# Altium PCB SensorControl_Board_v3.1.PcbDoc (part 1 of 2) (continued)
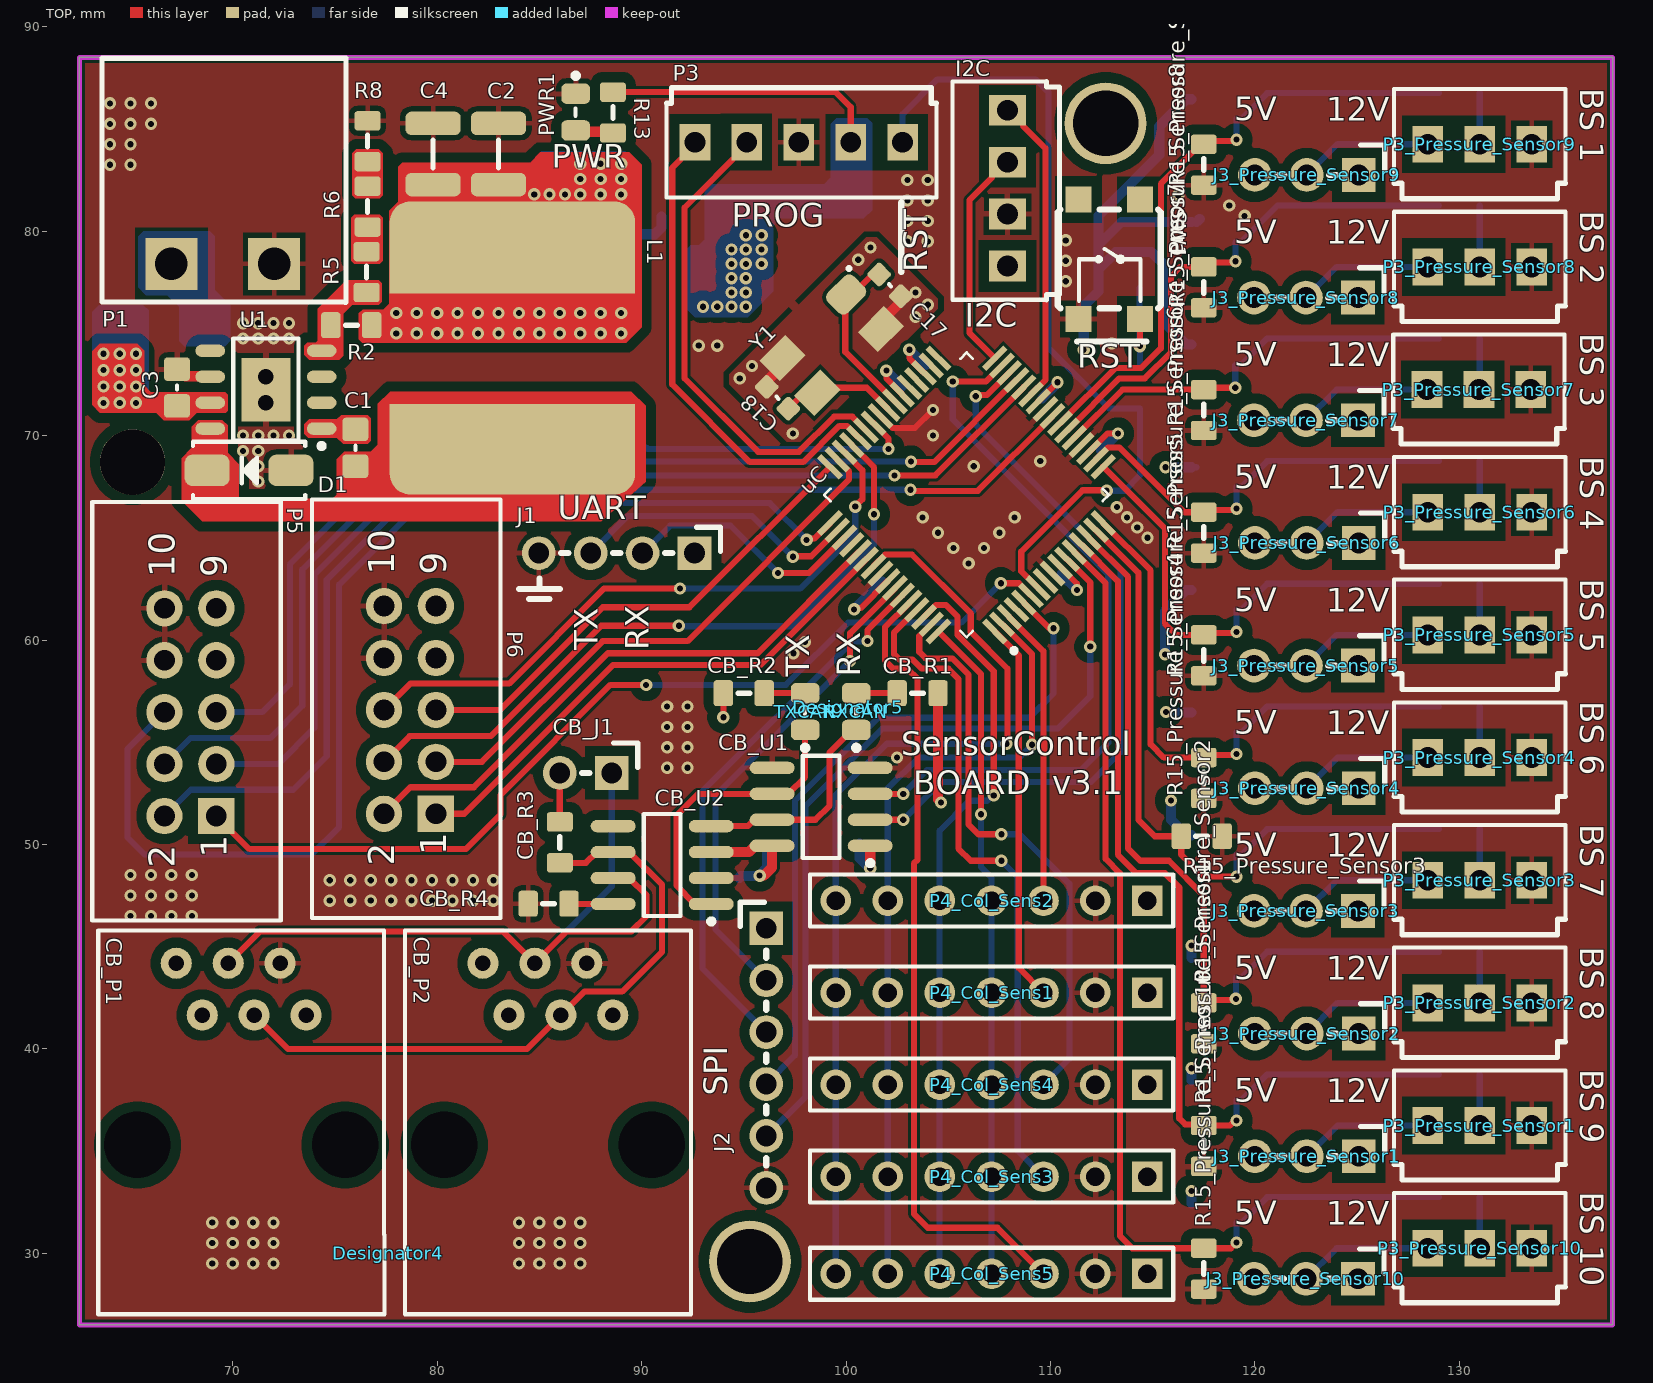
[diagram p0: TOP view]
## Components (designator, comment, footprint, x,y, rotation, side; value= is the part's Value field where it differs from the comment)
C1 "10nF" CER_0805 76,69.4 r0 top
C2 "100uF" CER_1210 83,83.8 r0 top
C3 "10uF" CER_0805 67.275,72.35 r0 top
C4 "100uF" CER_1210 79.8,83.8 r0 top
C11 "100n" CER_0805 104.55,74.098 r135 bottom
C12 "100n" CER_0805 102.102,71.775 r315 bottom
C13 "100n" CER_0805 108.975,71.175 r315 bottom
C14 "100n" CER_0805 111.85,68.6 r315 bottom
C15 "100n" CER_0805 102.411,63.486 r135 bottom
C16 "100n" CER_0603 113.6,75.675 r270 bottom
C17 "20pF" CER_0603 102.15,77.35 r225 top
C18 "20pF" CER_0603 96.65,71.85 r45 top
C19 "100n" CER_0805 109.9,63.85 r225 bottom
CB_C1 "100n" CER_0603 100.675,50.8 r180 bottom
CB_C2 "100n" CER_0603 96.35,50.65 r180 bottom
CB_C3 "100n" CER_0603 94.775,49.125 r180 bottom
CB_J1 "*" HM1x2 87.27,53.5 r180 top
CB_P1 "RJ-11" RJ11-6N-B 71,37 r90 top
CB_P2 "RJ-11" RJ11-6N-B 86,37 r90 top
CB_R1 "1k" RESC2013X38N-0805-NOOVERLAY 103.5,57.4 r90 top
CB_R2 "1k" RESC2013X38N-0805-NOOVERLAY 95,57.4 r270 top
CB_R3 "120R" RESC2013X38N-0805-NOOVERLAY 86,50.1 r180 top
CB_R4 "10k" RESC2013X38N-0805-NOOVERLAY 85.45,47.1 r90 top
CB_U1 "ADUM1201BRZ-RL7" SOIC-8 98.775,51.85 r180 top
CB_U2 "SN65HVD230DR" SOIC-8 91,49 r180 top
D1 "SK34" DO214AC 70.8,68.3 r0 top
D2 "SK34" DO214AC 66.6,75.4 r0 bottom
D4_Pressure_Sensor1 "BAT54S" BAT54S 118,37.5 r0 bottom (schematic designator D4)
D4_Pressure_Sensor2 "BAT54S" BAT54S 118,43.5 r0 bottom (schematic designator D4)
D4_Pressure_Sensor3 "BAT54S" BAT54S 118,49.5 r0 bottom (schematic designator D4)
D4_Pressure_Sensor4 "BAT54S" BAT54S 118,55.5 r0 bottom (schematic designator D4)
D4_Pressure_Sensor5 "BAT54S" BAT54S 118,61.5 r0 bottom (schematic designator D4)
D4_Pressure_Sensor6 "BAT54S" BAT54S 118,67.5 r0 bottom (schematic designator D4)
D4_Pressure_Sensor7 "BAT54S" BAT54S 118,73.5 r0 bottom (schematic designator D4)
D4_Pressure_Sensor8 "BAT54S" BAT54S 118,79.5 r0 bottom (schematic designator D4)
D4_Pressure_Sensor9 "BAT54S" BAT54S 118,85.5 r0 bottom (schematic designator D4)
D4_Pressure_Sensor10 "BAT54S" BAT54S 118,31.5 r0 bottom (schematic designator D4)
Designator4 "Comment" CANbus_LOGO_bottom 77.6,30 r0 top
Designator5 "Comment" MEP_LOGO_big 100.1,56.7 r0 top
I2C "TE CONNECTIVITY_4PIN_MALE" "TE CONNECTIVITY_4PIN_MALE" 107.9,78.295 r90 top
J1 "HEADER_1x4" HM1X4 88.78,64.25 r180 top
J2 "HEADER_1x6" HM1X6 96.1,39.55 r270 top
J3_Pressure_Sensor1 "*" HM1X3 122.54,34.75 r180 top (schematic designator J3)
J3_Pressure_Sensor2 "*" HM1X3 122.54,40.75 r180 top (schematic designator J3)
J3_Pressure_Sensor3 "*" HM1X3 122.5,46.75 r180 top (schematic designator J3)
J3_Pressure_Sensor4 "*" HM1X3 122.54,52.75 r180 top (schematic designator J3)
J3_Pressure_Sensor5 "*" HM1X3 122.5,58.75 r180 top (schematic designator J3)
J3_Pressure_Sensor6 "*" HM1X3 122.54,64.75 r180 top (schematic designator J3)
J3_Pressure_Sensor7 "*" HM1X3 122.5,70.75 r180 top (schematic designator J3)
J3_Pressure_Sensor8 "*" HM1X3 122.5,76.75 r180 top (schematic designator J3)
J3_Pressure_Sensor9 "*" HM1X3 122.54,82.75 r180 top (schematic designator J3)
J3_Pressure_Sensor10 "*" HM1X3 122.5,28.75 r180 top (schematic designator J3)
L1 "15uH" INDUCTOR_SS1260-103MLD 83.3,74.25 r270 top
LDO_C1 "100n" CER_0603 89,79.8 r90 bottom
LDO_C2 "10uF" TANT_1210 92.5,80.7 r90 bottom
LDO_U1 "LM2937-5" SOT223 90.6,74.9 r0 bottom
P1 "2EDGRC-5.08-02P-14-00A(H)" PWR_Con 72.029,78.4 r90 top
P3 "PICKIT" "TE CONNECTIVITY_5PIN_MALE" 102.77,84.35 r180 top
P3_Pressure_Sensor1 "TE CONNECTIVITY_3PIN_MALE" "TE CONNECTIVITY_3PIN_MALE" 128.46,36.25 r0 top (schematic designator P3)
P3_Pressure_Sensor2 "TE CONNECTIVITY_3PIN_MALE" "TE CONNECTIVITY_3PIN_MALE" 128.46,42.25 r0 top (schematic designator P3)
P3_Pressure_Sensor3 "TE CONNECTIVITY_3PIN_MALE" "TE CONNECTIVITY_3PIN_MALE" 128.46,48.25 r0 top (schematic designator P3)
P3_Pressure_Sensor4 "TE CONNECTIVITY_3PIN_MALE" "TE CONNECTIVITY_3PIN_MALE" 128.46,54.25 r0 top (schematic designator P3)
P3_Pressure_Sensor5 "TE CONNECTIVITY_3PIN_MALE" "TE CONNECTIVITY_3PIN_MALE" 128.46,60.25 r0 top (schematic designator P3)
P3_Pressure_Sensor6 "TE CONNECTIVITY_3PIN_MALE" "TE CONNECTIVITY_3PIN_MALE" 128.46,66.25 r0 top (schematic designator P3)
P3_Pressure_Sensor7 "TE CONNECTIVITY_3PIN_MALE" "TE CONNECTIVITY_3PIN_MALE" 128.42,72.25 r0 top (schematic designator P3)
P3_Pressure_Sensor8 "TE CONNECTIVITY_3PIN_MALE" "TE CONNECTIVITY_3PIN_MALE" 128.46,78.25 r0 top (schematic designator P3)
P3_Pressure_Sensor9 "TE CONNECTIVITY_3PIN_MALE" "TE CONNECTIVITY_3PIN_MALE" 128.46,84.25 r0 top (schematic designator P3)
P3_Pressure_Sensor10 "TE CONNECTIVITY_3PIN_MALE" "TE CONNECTIVITY_3PIN_MALE" 128.46,30.25 r0 top (schematic designator P3)
P4_Col_Sens1 "Header 7" HDR1X7 114.74,42.75 r180 top (schematic designator P4)
P4_Col_Sens2 "Header 7" HDR1X7 114.74,47.25 r180 top (schematic designator P4)
P4_Col_Sens3 "Header 7" HDR1X7 114.74,33.75 r180 top (schematic designator P4)
P4_Col_Sens4 "Header 7" HDR1X7 114.74,38.25 r180 top (schematic designator P4)
P4_Col_Sens5 "Header 7" HDR1X7 114.74,29 r180 top (schematic designator P4)
P5 "Header 5X2" CONNECTOR_2X5 69.2,51.39 r90 top
P6 "Header 5X2" CONNECTOR_2X5 79.94,51.5 r90 top
PWR1 "LED RED" LED_RED_0805 86.775,85.825 r270 top
R2 "10k" RESC2013X38N-0805-NOOVERLAY 75.8,75.4 r90 top
R5 "220R" RESC2013X38N-0805-NOOVERLAY 76.55,78 r0 top
R6 "820R" RESC2013X38N-0805-NOOVERLAY 76.6,81.2 r0 top
R8 "2.2k" RESC2013X38N-0805-NOOVERLAY 76.6,84.4 r0 top
R13 "1k" RESC2013X38N-0805-NOOVERLAY 88.6,85.8 r180 top
R14_Pressure_Sensor1 "10k" RESC2013X38N-0805-NOOVERLAY 130,38.75 r90 bottom (schematic designator R14)
R14_Pressure_Sensor2 "10k" RESC2013X38N-0805-NOOVERLAY 130,44.75 r90 bottom (schematic designator R14)
R14_Pressure_Sensor3 "10k" RESC2013X38N-0805-NOOVERLAY 130,50.75 r90 bottom (schematic designator R14)
R14_Pressure_Sensor4 "10k" RESC2013X38N-0805-NOOVERLAY 130,56.75 r90 bottom (schematic designator R14)
R14_Pressure_Sensor5 "10k" RESC2013X38N-0805-NOOVERLAY 130,62.75 r90 bottom (schematic designator R14)
R14_Pressure_Sensor6 "10k" RESC2013X38N-0805-NOOVERLAY 130,68.75 r90 bottom (schematic designator R14)
R14_Pressure_Sensor7 "10k" RESC2013X38N-0805-NOOVERLAY 130,74.75 r90 bottom (schematic designator R14)
R14_Pressure_Sensor8 "10k" RESC2013X38N-0805-NOOVERLAY 130,81.25 r90 bottom (schematic designator R14)
R14_Pressure_Sensor9 "10k" RESC2013X38N-0805-NOOVERLAY 130,86.75 r90 bottom (schematic designator R14)
R14_Pressure_Sensor10 "10k" RESC2013X38N-0805-NOOVERLAY 130,32.75 r90 bottom (schematic designator R14)
R15_Pressure_Sensor1 "10k" RESC2013X38N-0805-NOOVERLAY 117.5,35.25 r180 top (schematic designator R15)
R15_Pressure_Sensor2 "10k" RESC2013X38N-0805-NOOVERLAY 117.5,41.25 r180 top (schematic designator R15)
R15_Pressure_Sensor3 "10k" RESC2013X38N-0805-NOOVERLAY 117.4,50.4 r270 top (schematic designator R15)
R15_Pressure_Sensor4 "10k" RESC2013X38N-0805-NOOVERLAY 117.5,53.25 r180 top (schematic designator R15)
R15_Pressure_Sensor5 "10k" RESC2013X38N-0805-NOOVERLAY 117.5,59.25 r180 top (schematic designator R15)
R15_Pressure_Sensor6 "10k" RESC2013X38N-0805-NOOVERLAY 117.5,65.25 r180 top (schematic designator R15)
R15_Pressure_Sensor7 "10k" RESC2013X38N-0805-NOOVERLAY 117.5,71.25 r180 top (schematic designator R15)
R15_Pressure_Sensor8 "10k" RESC2013X38N-0805-NOOVERLAY 117.5,77.25 r180 top (schematic designator R15)
R15_Pressure_Sensor9 "10k" RESC2013X38N-0805-NOOVERLAY 117.5,83.25 r180 top (schematic designator R15)
R15_Pressure_Sensor10 "10k" RESC2013X38N-0805-NOOVERLAY 117.5,29.25 r180 top (schematic designator R15)
R16 "10k" RESC2013X38N-0805-NOOVERLAY 113.35,77.225 r90 bottom
R27 "1k" RESC2013X38N-0805-NOOVERLAY 114.375,72.325 r180 bottom
RXCAN "LED GREEN" LED_GREEN_0805 100.5,56.5 r90 top
SW1 "TASTER" TASTER_SMD 112.875,78.625 r90 top
TXCAN "LED GREEN" LED_GREEN_0805 98,56.5 r90 top
U1 "TPS5430" HSOP-8 71.625,72.245 r180 top
uC "" TQFP-64-500um 105.9,67.1 r45 top
Y1 "8Hz" ABM10 99.3,74.5 r225 top

## Footprints (in the part's own frame and the unit in brackets; to place one, negate y for a bottom-side part, rotate by r counter-clockwise, add the part's x,y. Pads: shape width x height; smd on the part's side, far side on the other; paste and mask are expansions set on the pad)
ABM10 [mm] "0.098\" L x 0.079\" W (2.50mm x 2.00mm)"
  rrect50% 1.8x1.4 smd: 1(-2.2,-1.2)
  rect 1.8x1.4 smd: 2(2.2,-1.2) 3(2.2,1.2) 4(-2.2,1.2)
  silkscreen extent -3.24,-2.04 -3.16,-1.96, body extent -3,-1.7 3,1.9, height 1.21
BAT54S [mm]
  rect 1.1x0.6 smd: 1(-1.1,0.95) 2(-1.1,-0.95) 3(1.1,0)
  silkscreen extent -1.65,-1.48 0.2,1.5, body extent -1.24,-1.48 1.24,1.48, height 1.15
CANbus_LOGO_bottom [mm]
CER_0603 [mm]
  rrect30% 0.9x0.9 smd: 1(0,0.75) 2(0,-0.75)
  silkscreen extent 0,-0.08 0,0.08, body extent -0.4,-0.8 0.4,0.8, height 0.79
CER_0805 [mm]
  rrect30% 1.27x1.15 smd: 1(0,0.9) 2(0,-0.9)
  silkscreen extent 0,-0.1 0,0.1, body extent -0.62,-1 0.63,1, height 0.6
CER_1210 [mm]
  rrect50% 2.7x1.15 smd: 1(0.003,1.474) 2(0.003,-1.526)
  silkscreen extent 0,-0.71 0,0.66, body extent -1.25,-1.6 1.25,1.6, height 1
CONNECTOR_2X5 [mil] "Connector; 5x2 Position"
  rect 70x70 hole 40: 1(0,0)
  round 70 hole 40: 2(0,100) 3(100,0) 4(100,100) 5(200,0) 6(200,100) 7(300,0) 8(300,100) 9(400,0) 10(400,100)
  silkscreen extent -201,-124 605,239, body extent -200,-125 600,237, height 372
DO214AC [mm] "Diode,Molded Body;5.105mm L X 2.665mm W X 2.29mm H"
  rrect50% 2.2x1.55 smd: 1(-2.05,0) 2(2.05,0)
  silkscreen extent -2.75,-1.4 2.75,1.4, body extent -2.75,-1.4 2.75,1.4, height 2.6
HDR1X7 [mm] "Connector; Header; 7 Position"
  rect 1.5x1.5 hole 0.9: 1(0,0)
  round 1.5 hole 0.9: 2(2.54,0) 3(5.08,0) 4(7.62,0) 5(10.16,0) 6(12.7,0) 7(15.24,0)
  silkscreen extent -1.27,-1.27 16.51,1.27
HM1x2 [mil] "Single row pin header 1x2, 2.54mm"
  rect 65x65 hole 40: 1(-50,0)
  round 65 hole 40: 2(50,0)
  silkscreen extent -100,-57 7,0, body extent -100,-57 100,57, height 335
HM1X3 [mil] "Contact Mating Length-6.00mm"
  rect 65x65 hole 40: 1(-100,0)
  round 65 hole 40: 2(0,0) 3(100,0)
  silkscreen extent -150,-57 57,0, body extent -150,-57 150,57, height 335
HM1X4 [mil] "Contact Mating Length-6.00mm"
  rect 65x65 hole 40: 1(-150,0)
  round 65 hole 40: 2(-50,0) 3(50,0) 4(150,0)
  silkscreen extent -200,-50 107,0, body extent -200,-50 200,50, height 336
HM1X6 [mil] "Contact Mating Length-6.00mm"
  rect 65x65 hole 40: 1(-250,0)
  round 65 hole 40: 2(-150,0) 3(-50,0) 4(50,0) 5(150,0) 6(250,0)
  silkscreen extent -300,-50 207,0, body extent -300,-57 300,57, height 335
HSOP-8 [mm] "SOIC, 8-Leads, Body 4.90x3.90mm, Pitch 1.27mm, Thermal Pad 3.10x2.40mm, IPC Medium Density"
  oval 1.45x0.6 smd: 1(-2.725,1.905) 2(-2.725,0.635) 3(-2.725,-0.635) 4(-2.725,-1.905) 5(2.725,-1.905) 6(2.725,-0.635) 7(2.725,0.635) 8(2.725,1.905)
  rect 2.4x3.1 all layers, no hole: 9(0,0)
  silkscreen extent -2.85,-2.5 1.6,2.88, body extent -3.02,-2.36 3.01,2.34, height 1.7
INDUCTOR_SS1260-103MLD [mil]
  rect 75x472.44 smd: 1(144,15) 2(-144,15)
  rrect50% 157.48x472.44 smd: 1(202,15) 2(-205,15)
  body extent -247,-231 245,261, height 315
LED_GREEN_0805 [mm] "Diode GREEN;2.00mm L X 1.25mm W X 1.20mm H"
  rrect50% 1x1.4 smd: 1(-0.9,0) 2(0.9,0)
  silkscreen extent -1.9,-0.13 0.18,0.13, body extent -1.01,-0.62 1.01,0.63, height 1.1
LED_RED_0805 [mm] "Diode 2.00mm L X 1.25mm W X 1.20mm H"
  rrect50% 1x1.4 smd: 1(-0.9,0) 2(0.9,0)
  silkscreen extent -1.9,-0.13 0.18,0.13, body extent -1.05,-0.67 1.05,0.68, height 0.9
MEP_LOGO_big [mm]
PWR_Con [mm]
  rect 2.54x2.54 hole 1.6: 1(0,0) 2(0,5.029)
  silkscreen extent -1.88,-3.51 10.06,8.42, body extent -2.01,-3.59 10,8.57, height 8.73
RESC2013X38N-0805-NOOVERLAY [mm] "Resistor,Chip;2.03mm L X 1.27mm W X 0.6mm H"
  rrect30% 1.27x0.95 smd: 1(0,1) 2(0,-1)
  silkscreen extent 0,-0.29 0,0.29, body extent -0.62,-1 0.63,1, height 0.5
RJ11-6N-B [mm] "RJ11 MODULAR JACK 6 POSITION, 1 PORT"
  round 1.524 hole 0.76: 1(7.19,3.76) 2(4.65,2.49) 3(7.19,1.22) 4(4.65,-0.05) 5(7.19,-1.32) 6(4.65,-2.59)
  round 0 hole 3.25: M1(-1.7,5.66) M2(-1.7,-4.5)
  silkscreen extent -9.98,-6.42 8.79,7.58, body extent -9.71,-6.01 8.49,7.29, height 11.5
SOIC-8 [mm]
  oval 2.2x0.6 smd: 1(-2.409,1.914) 2(-2.409,0.644) 3(-2.409,-0.626) 4(-2.409,-1.896) 5(2.391,-1.896) 6(2.391,-0.626) 7(2.391,0.644) 8(2.391,1.914)
  silkscreen extent -2.53,-2.49 0.89,2.89, body extent -2.84,-2.45 2.93,2.45, height 1.45
SOT223 [mm] "SOT-223/SC-73; 4 Leads; Body 6.7 x 7.3 mm, inc. leads (LxW max)"
  rect 1.1x2.15 smd: 1(-2.3,-3.1) 2(0,-3.1) 3(2.3,-3.1)
  rect 3.5x2.15 smd: 4(0,3.1)
  silkscreen extent -3.52,-3.25 3.35,1.63, body extent -3.25,-3.6 3.25,3.4, height 1.7
TANT_1210 [mm]
  rrect50% 2.7x1.15 smd: 1(0.003,1.474) 2(0.003,-1.526)
  silkscreen extent 0,-0.71 0,0.66, body extent -1.4,-1.83 1.4,1.83, height 1.92
TASTER_SMD [mm]
  rect 1.27x1.27 smd: 0(2.921,-1.5) 0(2.921,1.5) 1(-2.921,1.5) 2(-2.921,-1.5)
  silkscreen extent -2.39,-2.52 2.43,2.51, body extent -3.15,-2.52 3.15,2.51, height 3.3
"TE CONNECTIVITY_3PIN_MALE" [mm] "BLUE_3PIN_CONECTOR"
  rect 1.5x1.8 hole 1.016: 1(0,0) 2(2.54,0) 3(5.08,0)
  silkscreen extent -1.65,-2.67 6.73,2.7, body extent -1.27,-2.5 6.35,2.5, height 11.43
"TE CONNECTIVITY_4PIN_MALE" [mm] "BLUE_4PIN_CONECTOR"
  rect 1.5x1.8 hole 1.016: 1(0,0) 2(2.54,0) 3(5.08,0) 4(7.62,0)
  silkscreen extent -1.65,-2.54 9.02,2.7, body extent -1.27,-2.5 8.89,2.5, height 11.43
"TE CONNECTIVITY_5PIN_MALE" [mm] "BLUE_5PIN_CONECTOR"
  rect 1.5x1.8 hole 1.016: 1(0,0) 2(2.54,0) 3(5.08,0) 4(7.62,0) 5(10.16,0)
  silkscreen extent -1.65,-2.67 11.56,2.7, body extent -1.4,-2.46 11.3,2.54, height 11.43
TQFP-64-500um [mm]
  rect 0.3x1.5 smd mask+0: 1(-3.75,-5.7) 2(-3.25,-5.7) 3(-2.75,-5.7) 4(-2.25,-5.7) 5(-1.75,-5.7) 6(-1.25,-5.7) 7(-0.75,-5.7) 8(-0.25,-5.7) 9(0.25,-5.7) 10(0.75,-5.7) 11(1.25,-5.7) 12(1.75,-5.7) 13(2.25,-5.7) 14(2.75,-5.7) 15(3.25,-5.7) 16(3.75,-5.7) 33(3.75,5.7) 34(3.25,5.7) 35(2.75,5.7) 36(2.25,5.7) 37(1.75,5.7) 38(1.25,5.7) 39(0.75,5.7) 40(0.25,5.7) 41(-0.25,5.7) 42(-0.75,5.7) 43(-1.25,5.7) 44(-1.75,5.7) 45(-2.25,5.7) 46(-2.75,5.7) 47(-3.25,5.7) 48(-3.75,5.7)
  rect 1.5x0.3 smd mask+0: 17(5.7,-3.75) 18(5.7,-3.25) 19(5.7,-2.75) 20(5.7,-2.25) 21(5.7,-1.75) 22(5.7,-1.25) 23(5.7,-0.75) 24(5.7,-0.25) 25(5.7,0.25) 26(5.7,0.75) 27(5.7,1.25) 28(5.7,1.75) 29(5.7,2.25) 30(5.7,2.75) 31(5.7,3.25) 32(5.7,3.75) 49(-5.7,3.75) 50(-5.7,3.25) 51(-5.7,2.75) 52(-5.7,2.25) 53(-5.7,1.75) 54(-5.7,1.25) 55(-5.7,0.75) 56(-5.7,0.25) 57(-5.7,-0.25) 58(-5.7,-0.75) 59(-5.7,-1.25) 60(-5.7,-1.75) 61(-5.7,-2.25) 62(-5.7,-2.75) 63(-5.7,-3.25) 64(-5.7,-3.75)
  silkscreen extent -4.92,-7.1 4.92,4.92, body extent -5.79,-5.76 5.79,5.82, height 1

## Part data
C1: library part "CER 10n 50V X7R", "CAP CER 10n 50V X7R 10% 0805", LCSC Part #=C1710, Capacitance=10nF
C2 C4: library part 00002108, "CAP CER 100u X5R 6.3V 10% 1210", Capacitance=100uF
C3: library part "CER 10u 25V X5R", "CAP CER 10u 25V X5R 10% 0805", LCSC Part #=C15850, Capacitance=10uF
C11 C12 C13 C14 C15 C19: library part 0100000001868, Manufacturer=Yageo, Manufacturer Part Number=CC0805KRX7R9BB104, Package Case=0805, Recommended Rating=Platinum, Temperature Coefficient=X7R, Tolerance=10%, Voltage Rated=50, Assembly=SMD, Barcode=0100000001868, Capacitance=100n, Category=Capacitors, Family="CERAMIC CAPACITOR", id=136, item_id=450, Part Type=Capacitors
C16 CB_C1 CB_C2 CB_C3 LDO_C1: library part 06032105, "CAP CER 100n 10V X5R 10% 0603", Capacitance=100n
C17 C18: library part 00002200, "CAP CER 20p 0805", Capacitance=20pF
CB_J1: library part HEADER_1x2
CB_P1 CB_P2: library part 00000001, Manufacturer Part Number=RJ-11
CB_R1 CB_R2 R13 R27: library part 00001001, "RES SMD 1 kOhm 1/8W 0805", Power="0.125W, 1/8W", Assembly=SMD, Barcode=00009101, Resistance=1k
CB_R3: library part 000001200, "RES SMD 120 Ohm 1/8W 0805", Resistance=120R
CB_R4 R2 R14_Pressure_Sensor1 R14_Pressure_Sensor2 R14_Pressure_Sensor3 R14_Pressure_Sensor4 R14_Pressure_Sensor5 R14_Pressure_Sensor6 R14_Pressure_Sensor7 R14_Pressure_Sensor8 R14_Pressure_Sensor9 R14_Pressure_Sensor10 R15_Pressure_Sensor1 R15_Pressure_Sensor2 R15_Pressure_Sensor3 R15_Pressure_Sensor4 R15_Pressure_Sensor5 R15_Pressure_Sensor6 R15_Pressure_Sensor7 R15_Pressure_Sensor8 R15_Pressure_Sensor9 R15_Pressure_Sensor10 R16: library part 000001002, "RES SMD 10 kOhm 1/8W 0805", Resistance=10k
CB_U1: library part ADUM1201BRZ, "DGTL ISO 2.5KV GEN PURP 8SOIC", Package=SOIC-8, Assembly=SMD, Barcode=00000001, Category="Integrated Circuits (ICs)", Datasheet Link=http://www.analog.com/media/en/technical-documentation/data-sheets/ADuM1200_1201.pdf, Family=Comunication, Manufacturer Part Number=ADUM1201BRZ-RL7
CB_U2: library part SN65HVD230, "IC EMC CAN TRANSCEIVER 8-SOIC", Package=SOIC-8, Assembly=SMD, Barcode=00000001, Category="Integrated Circuits (ICs)", Comet Product Page=http://store.comet.rs/Catalogue/Product/9057/, Datasheet Link=http://www.ti.com/lit/ds/symlink/sn65hvd232.pdf, Family=Comunication, Manufacturer Part Number=SN65HVD230DR
D1 D2: "DIODE SCHOTTKY 40V 3A DO214AC", Current  Average Rectified=3A, Manufacturer="Vishay Semiconductor Diodes Division", Package Case="DO-214AC, SMA", Recommended Rating=Silver, Voltage  DC Reverse=40V, Voltage  Forward="550mV @ 3A", Assembly=SMD, Barcode=0100000007488, Category="Discrete Semiconductor Products", Datasheet URL=http://www.vishay.com/docs/88896/b330la.pdf, Diode Type=Schottky, Family=DIODE, id=62, item_id=1025, Manufacturer Part Number=SK34, Part Type="Discrete Semiconductors", Speed="Fast Recovery =< 500ns, > 200mA (Io)"
I2C: "BLUE_4PIN_CONECTOR", Manufacturer="TE CONNECTIVITY / AMP", Manufacturer Part Number 1=281695-3, Order Code 1=1205983, Price 1=L0.403, Supplier 1=uk.farnell.com
J3_Pressure_Sensor1 J3_Pressure_Sensor2 J3_Pressure_Sensor3 J3_Pressure_Sensor4 J3_Pressure_Sensor5 J3_Pressure_Sensor6 J3_Pressure_Sensor7 J3_Pressure_Sensor8 J3_Pressure_Sensor9 J3_Pressure_Sensor10: library part HEADER_1x3
L1: library part IND_15uH, "FIXED IND 15uH 3A", Current Rating=3A, Assembly=SMD, Category="Inductors, Coils, Chokes", Family=INDUCTOR, Inductance=15uH
LDO_C2: library part 00001106, "CAP TANT 10u"
LDO_U1: library part LM2937, "IC REG LINEAR 5V 400MA SOT223-4", Datasheet Link=http://www.ti.com/lit/ds/symlink/lm2937.pdf, Manufacturer Part Number=LM2937-5
P1: library part 00000002, "TERM BLOCK HDR 2POS 90DEG 5.08MM", Manufacturer Part Number=2EDGRC-5.08-02P-14-00A(H), Price=0.1304, Suplier=TME, Suplier Product Link=https://www.tme.eu/en/details/2edgrc5.08-2p14/pluggable-terminal-blocks/degson-electronics/2edgrc-508-02p-14-00ah/
P3: library part "TE CONNECTIVITY_5PIN_MALE", "BLUE_5PIN_CONECTOR", Manufacturer="TE CONNECTIVITY / AMP", Manufacturer Part Number 1=281695-3, Order Code 1=1205983, Price 1=£0.403, Supplier 1=uk.farnell.com
P3_Pressure_Sensor1 P3_Pressure_Sensor2 P3_Pressure_Sensor3 P3_Pressure_Sensor4 P3_Pressure_Sensor5 P3_Pressure_Sensor6 P3_Pressure_Sensor7 P3_Pressure_Sensor8 P3_Pressure_Sensor9 P3_Pressure_Sensor10: "BLUE_3PIN_CONECTOR", Manufacturer="TE CONNECTIVITY / AMP", Manufacturer Part Number 1=281695-3, Order Code 1=1205983, Price 1=£0.403, Supplier 1=uk.farnell.com
P4_Col_Sens1 P4_Col_Sens2 P4_Col_Sens3 P4_Col_Sens4 P4_Col_Sens5: "Header, 7-Pin", LatestRevisionDate=17-Jul-2002, LatestRevisionNote="Re-released for DXP Platform.", Publisher="Altium Limited"
P5 P6: "Header, 5-Pin, Dual row", LatestRevisionDate=17-Jul-2002, LatestRevisionNote="Re-released for DXP Platform.", Publisher="Altium Limited"
PWR1: library part LED_RED_0805, "LED RED 0805", Color=Red, Manufacturer="BRIGHT LED ELECTRONICS", Manufacturer Part Number=BL-HUB35A-AV-TRB, Package Case="0805 (2012 Metric)", Recommended Rating=Platinum, Voltage Forward="2.0 V", Assembly=SMD, Barcode=2911010024321, Family=LED, id=35, item_id=3341, Part Type=Optoelectronics
R5: library part "RES SMD 220 Ohm 0805", "RES SMD 220 Ohm 1/8W 0805", LCSC Part #=C17557, Resistance=220R
R6: library part "RES SMD 820 Ohm 0805", "RES SMD 820 Ohm 1/8W 0805", LCSC Part #=C17837, Resistance=820R
R8: library part "RES SMD 2.2 kOhm 0805", "RES SMD 2.2 kOhm 1/8W 0805", LCSC Part #=C17520, Resistance=2.2k
RXCAN TXCAN: library part "LED_GREEN 0805", "LED GREEN CLEAR 0805 SMD", Color=Green, Lens Color=Colorless, Manufacturer=Kingbright, Manufacturer Part Number=APT2012SGC, Package Case="0805 (2012 Metric)", Recommended Rating=Platinum, Voltage Forward=2.2V, Assembly=SMD, Barcode=2911010024338, Category=Optoelectronics, Datasheet URL=http://www.kingbrightusa.com/images/catalog/SPEC/APT2012SGC.pdf, Family=LED, id=28, item_id=3342, Lens Transparency=Clear, Part Type=Optoelectronics, Wavelength=568nm
U1: "IC REG BUCK ADJ 3A 8SOPWRPAD", LCSC Part #=C9864, Manufacturer Part Number=TPS5430
uC: library part PIC32MK1024MCF064, "IC MCU 32BIT 1MB FLASH 64TQFP", Manufacturer Part Number=PIC32MK1024MCF064
Y1: library part QUARTZ_8MHz, "CRYSTAL 8.0000MHZ 18PF SMD", Equivalent Series Resistance="72 Ohm", Frequency Stability=±30ppm, Load Capacitance=18pF, Manufacturer=ABRACON, Manufacturer Part Number=ABMM2-8.000MHZ-E2-T, Package Case="4-SMD, No Lead (DFN, LCC)", Assembly=SMD, Category="Crystals and Oscillators", Datasheet URL=http://www.abracon.com/Resonators/ABMM2.pdf, Family=CRYSTAL, Frequency=8Hz, Frequency Tolerance=±30ppm, id=17, item_id=4360, Part Type="Crystals, Oscillators", Size Dimension="0.126\" L x 0.098\" W (3.20mm x 2.50mm)"

## Free pads (board coordinates)
  round 3.2 hole 3.2: ""(65.1,68.7)
  round 4 hole 3.2: ""(95.3,29.6) ""(112.7,85.275)

## Via types
v1: diameter 0.6, hole 0.3, TOP to BOT, 252 vias
v2: diameter 1.27, hole 0.762, TOP to BOT, 2 vias

## Nets (pads, with @x,y where several pads share a name; then routed paths per layer and width w, separated by ;. In a path a pad name is that pad's centre, name@x,y a point inside that pad or via, vN(x,y) a via of type N, cw(c..) or ccw(c..) an arc to the next point about the centre after c; other vN are vias at no path point)
AN1: P5.1 uC.6 | length 46.7
  TOP w0.3: P5.1@69.2,51.39 70.815,49.775 81.4,49.775 83.1,51.475 83.1,52.425 88.475,57.8 v1(90.225,57.8) ; v1(107.575,62.775) 108.457,62.775 uC.6@109.047,62.186
  BOT w0.3: v1(90.225,57.8) 97.05,57.8 100.1,60.85 105.65,60.85 v1(107.575,62.775)
AN2: P5.2 uC.24 | length 56.7
  TOP w0.3: v1(103.15,67.35) 103.207,67.293 106.446,67.293 uC.24@110.107,70.954
  BOT w0.3: P5.2@66.66,51.39 67.945,52.675 72.95,52.675 74.6,54.325 74.6,62.95 79,67.35 v1(103.15,67.35)
AN3: P5.3 uC.28 | length 51.5
  TOP w0.3: v1(102.375,68.05) 104.375,68.05 uC.28@108.693,72.368
  BOT w0.3: P5.3@69.2,53.93 72.23,53.93 74,55.7 74,63.199 78.851,68.05 v1(102.375,68.05)
AN4: P5.4 uC.29 | length 53.4
  TOP w0.3: v1(103.175,68.725) 103.2,68.7 104.318,68.7 uC.29@108.34,72.721
  BOT w0.3: P5.4@66.66,53.93 67.93,55.2 71.825,55.2 73.4,56.775 73.4,63.447 78.678,68.725 v1(103.175,68.725)
CAN_RX: CB_U1.2 uC.30 | length 36.1
  TOP w0.3: CB_U1.2@101.184,51.206 v1(102.799,51.206) ; v1(106.35,71.925) 106.407,71.982 106.893,71.982 uC.30@107.986,73.075
  BOT w0.3: v1(102.799,51.206) 104.644,53.05 111.975,53.05 113.425,54.5 113.425,63.45 106.35,70.525 v1(106.35,71.925)
CAN_TX: CB_U1.3 uC.31 | length 36.2
  TOP w0.3: CB_U1.3@101.184,52.476 v1(102.799,52.476) ; v1(105.225,72.65) 106.854,72.65 uC.31@107.632,73.429
  BOT w0.3: v1(102.799,52.476) 103.974,53.65 111.5,53.65 112.826,54.976 112.826,63.199 105.225,70.8 v1(105.225,72.65)
GND: C2.1 C3.1 C4.1 C11.1 C12.1 C13.1 C14.1 C15.1 C16.1 C17.1 C18.1 C19.1 CB_C1.1 CB_C2.1 CB_C3.1 CB_P1.5 CB_P2.5 CB_R4.1 CB_U1.4 CB_U1.5 CB_U2.2 D1.2 D4_Pressure_Sensor1.1 D4_Pressure_Sensor2.1 D4_Pressure_Sensor3.1 D4_Pressure_Sensor4.1 D4_Pressure_Sensor5.1 D4_Pressure_Sensor6.1 D4_Pressure_Sensor7.1 D4_Pressure_Sensor8.1 D4_Pressure_Sensor9.1 D4_Pressure_Sensor10.1 I2C.2 J1.4 J2.6 LDO_C1.1 LDO_C2.2 LDO_U1.2 LDO_U1.4 P1.1 P3.3 P3_Pressure_Sensor1.3 P3_Pressure_Sensor2.3 P3_Pressure_Sensor3.3 P3_Pressure_Sensor4.3 P3_Pressure_Sensor5.3 P3_Pressure_Sensor6.3 P3_Pressure_Sensor7.3 P3_Pressure_Sensor8.3 P3_Pressure_Sensor9.3 P3_Pressure_Sensor10.3 P4_Col_Sens1.2 P4_Col_Sens2.2 P4_Col_Sens3.2 P4_Col_Sens4.2 P4_Col_Sens5.2 P5.8 P5.10 P6.8 P6.10 PWR1.1 R8.1 R15_Pressure_Sensor1.1 R15_Pressure_Sensor2.1 R15_Pressure_Sensor3.1 R15_Pressure_Sensor4.1 R15_Pressure_Sensor5.1 R15_Pressure_Sensor6.1 R15_Pressure_Sensor7.1 R15_Pressure_Sensor8.1 R15_Pressure_Sensor9.1 R15_Pressure_Sensor10.1 SW1.1 U1.6 U1.9 uC.9 uC.20 uC.25 uC.41 uC.56 Y1.2 Y1.4 | length 10.6
  TOP w0.3: uC.41@101.693,70.954 102.276,70.371 103.371,70.371 v1(104.25,71.25)
  TOP w0.5: C3.1@67.275,73.25 67.335,73.25 67.686,72.899 68.881,72.899 U1.6@68.9,72.88 ; C18.1@96.12,72.38 96.12,72.663 96.896,73.439 Y1.2@96.896,73.793 ; Y1.4@101.704,75.207 101.704,75.561 102.68,76.537 C17.1@102.68,76.82
  BOT w0.5: LDO_C1.1@89.75,79.8 89.795,79.845 90.652,79.845 90.974,80.167 LDO_C2.2@90.974,80.703
  other v1: 69,29.5 70,29.5 71,29.5 72,29.5 84,29.5 85,29.5 86,29.5 87,29.5 69,30.5 70,30.5 71,30.5 72,30.5 84,30.5 85,30.5 86,30.5 87,30.5 69,31.5 70,31.5 71,31.5 72,31.5 84,31.5 85,31.5 86,31.5 87,31.5 65,46.5 66,46.5 67,46.5 68,46.5 74.75,47.25 75.75,47.25 76.75,47.25 77.75,47.25 78.75,47.25 79.75,47.25 80.75,47.25 81.75,47.25 82.75,47.25 65,47.5 66,47.5 67,47.5 68,47.5 74.75,48.25 75.75,48.25 76.75,48.25 77.75,48.25 78.75,48.25 79.75,48.25 80.75,48.25 81.75,48.25 82.75,48.25 65,48.5 66,48.5 67,48.5 68,48.5 91.25,53.75 92.25,53.75 102.5,54.25 91.25,54.75 92.25,54.75 91.25,55.75 92.25,55.75 91.25,56.75 92.25,56.75 97.425,59.35 98,59.9 106,63.75 105.25,64.5 106.75,64.5 114.75,65 104.5,65.25 107.5,65.25 114.25,65.5 103.75,66 108.25,66 113.75,66 113.25,66.5 71.25,67.75 71.25,68.5 106.25,68.5 109.5,68.75 70.5,69.25 71.25,69.25 70.5,70 71.25,70 72,70 72.75,70 104.25,70 97.4,70.1 94.8,72.8 95.4,73.4 92.8,74.4 93.7,74.4 113,74.5 70.5,74.75 71.25,74.75 72,74.75 72.75,74.75 70.5,75.5 71.25,75.5 72,75.5 72.75,75.5 103.4,75.8 104,76.4 103.4,77 110.75,77.55 110.75,78.55 100.6,78.6 101.2,79.2 103,79.5 104,79.5 110.75,79.55 103,80.5 104,80.5 119.5,80.75 118.75,81.25 103,81.5 104,81.5 116.25,81.75 103,82.5 104,82.5 64,83.25 65,83.25 64,84.25 65,84.25 64,85.25 65,85.25 66,85.25 64,86.25 65,86.25 66,86.25
  other v2: 71.625,71.61 71.625,72.88
M\C\L\R\: P3.1 R27.2 uC.7 | length 40.4
  TOP w0.3: uC.7@109.4,62.539 108.575,63.364 108.575,64.325 111.575,67.325 112.725,67.325 v1(112.75,67.3)
  BOT w0.3: P3.1@102.77,84.35 102.77,85.72 104.475,87.425 109.275,87.425 109.9,86.8 109.9,74.3 112.875,71.325 R27.2@114.375,71.325 114.375,68.05 113.625,67.3 v1(112.75,67.3)
NetC1_1: C1.1 U1.1 | length 0
  TOP w0.3: C1.1@75.97,70.33 C1.1@76,70.3
NetC1_2: C1.2 D1.1 L1.1 U1.8
NetC16_2: C16.2 R16.1 R27.1 SW1.2 | length 5.2
  TOP w0.3: v1(114.375,74.375) SW1.2@114.375,75.704
  BOT w0.3: R16.1@114.35,77.225 C16.2@114.35,75.675 114.362,75.663 114.362,74.388 v1(114.375,74.375) R27.1@114.375,73.325
NetCB_J1_1: CB_J1.1 CB_P1.3 CB_P2.3 CB_U2.7 | length 36.6
  TOP w0.3: CB_P1.3@69.78,44.19 71.34,45.75 83.22,45.75 CB_P2.3@84.78,44.19 86.34,45.75 89.5,45.75 90.25,46.5 90.25,47.514 89.409,48.356 CB_U2.7@88.609,48.356
  BOT w0.3: CB_P2.3@84.78,44.19 88.54,47.95 CB_J1.1@88.54,53.5
NetCB_J1_2: CB_J1.2 CB_R3.2 | length 2.4
  TOP w0.3: CB_R3.2@86,51.1 CB_J1.2@86,53.5
NetCB_P1_4: CB_P1.4 CB_P2.4 CB_R3.1 CB_U2.6 | length 31.8
  TOP w0.3: CB_P1.4@71.05,41.65 72.7,40 84.4,40 CB_P2.4@86.05,41.65 87.2,42.8 89.05,42.8 91,44.75 91,48.034 89.409,49.626 CB_U2.6@88.609,49.626 87.799,49.626 87.274,49.1 CB_R3.1@86,49.1
NetCB_R1_1: CB_R1.1 RXCAN.2 | length 2
  TOP w0.3: RXCAN.2@100.5,57.4 CB_R1.1@102.5,57.4
NetCB_R2_1: CB_R2.1 TXCAN.2 | length 2
  TOP w0.3: CB_R2.1@96,57.4 TXCAN.2@98,57.4
NetCB_R4_2: CB_R4.2 CB_U2.8 | length 2.2
  TOP w0.3: CB_R4.2@86.45,47.1 86.464,47.086 CB_U2.8@88.609,47.086
NetCB_U1_6: CB_U1.6 CB_U2.1 TXCAN.1 | length 14.9
  TOP w0.3: CB_U2.1@93.409,47.086 92.609,47.086 91.7,47.994 91.7,51.4 92.776,52.476 CB_U1.6@96.384,52.476 97.184,52.476 98,53.292 TXCAN.1@98,55.6